# KiCad board frankenso.kicad_pcb (continued)
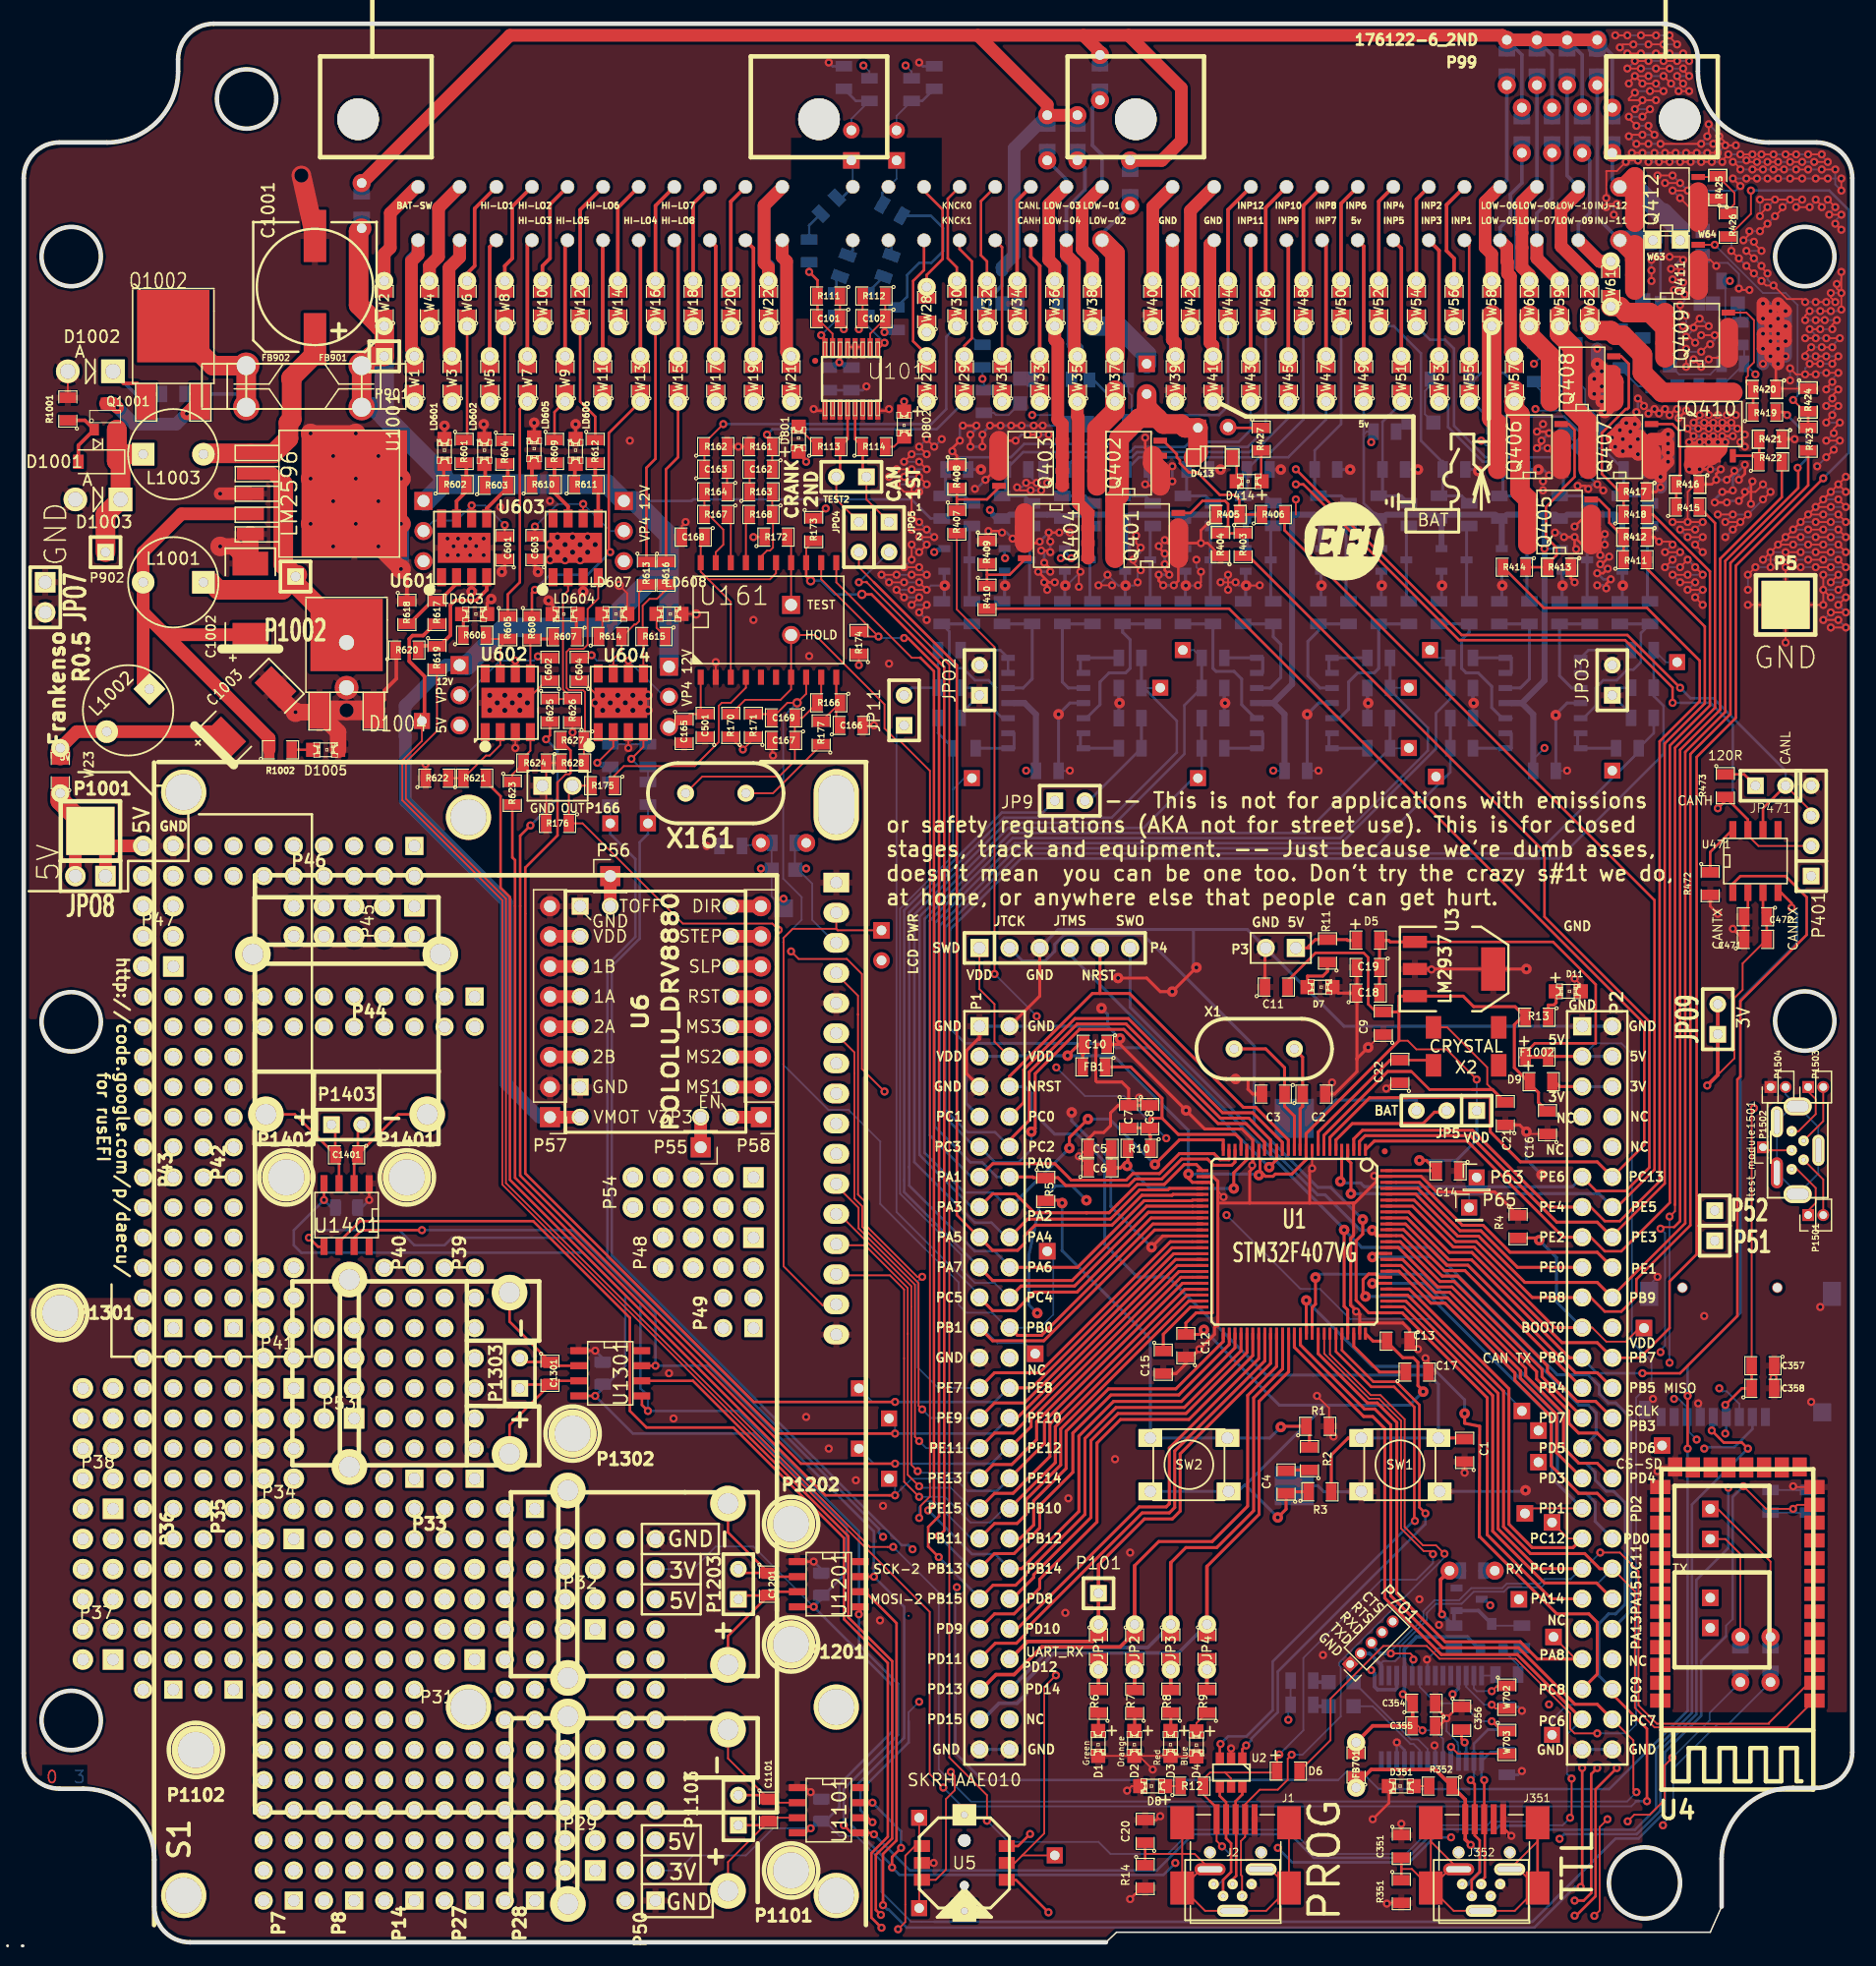
[diagram p0: board, top side]
## Routing (per net, layer and track width the routed paths; a pad name or vN(x,y) marks a point on that pad's centre or on a via; arc(x,y) is an arc through that point) (continued)
  Top w0.152: v2(85.38,123.02) v2(84.49,123.02) ; v2(83.73,122.64) 83.98,122.38 v2(84.87,122.38) ; v2(85.76,122.38) 86.27,122.89 v2(86.27,123.02) ; v2(109,46.06) 110.02,45.04 R1.2 110.02,43.01 v2(110.4,42.63) ; v2(149.13,38.44) 149.2,38.37 U4.13 ; v2(93,12.78) 93.38,13.16 D8.2 ; D1.2 D3.2 96.7,15.67 D4.2 ; v2(95.16,14.56) 94.01,15.71 D2.2 ; v2(66.33,12.66) 65.95,13.04 U1101.1 ; 151.1,130.96 151.1,130.89 ; v2(114.84,71.97) 115.33,72.45 C22.1 ; v1(113.32,75.44) 114.4,76.51 C9.1 ; v2(110.27,72.47) 109.7,71.9 C2.2 ; v2(94.01,71.2) 94.67,70.55 C8.1 ; v2(118.65,82) 118.61,82.04 U3.2 ; v2(130.72,81.24) 131.23,80.72 D11.2 ; v2(103.54,65.49) 103.59,65.54 U1.20 ; v2(101.13,62.82) 100.74,63.2 100.64,63.2 ; v2(113.83,64.6) 113.86,64.56 U1.99 ; v2(112.3,53.17) 112.56,52.92 112.61,52.92 ; v2(117.51,49.99) 116.83,50.67 C13.1 ; v2(118.14,49.23) 118.4,48.98 C17.2 ; v2(99.09,49.99) 98.44,49.34 C12.1 ; v1(126.65,68.32) 126.84,68.13 C16.1 ; R420.1 147.73,130.96 R424.1 ; v2(142.02,133.43) 142.15,133.56 Q409.3 ; v2(141.38,132.8) v2(140.75,133.43) ; v2(140.11,132.8) v2(140.11,134.32) ; v2(141.38,134.07) 142.02,134.7 v2(142.15,134.7) ; v2(142.53,135.47) v2(141.38,135.47) ; v2(140.88,134.83) 140.37,135.34 v2(140.11,135.34) ; v2(140.75,136.1) 140.88,136.23 v2(142.02,136.23) ; v2(141.26,136.86) 140.62,136.23 v2(139.86,136.23) ; v2(140.11,137.12) 139.61,137.62 v2(139.61,138.01) ; v2(139.99,138.89) 139.61,139.28 v2(139.1,139.28) ; v2(139.86,139.91) 139.61,140.16 v2(138.97,140.16) ; v2(139.73,140.8) 139.48,141.05 v2(138.84,141.05) ; v2(139.86,141.82) 139.61,142.07 v2(138.72,142.07) 137.45,142.07 v2(137.19,141.82) ; v2(142.65,141.31) 142.15,141.82 Q411.3 ; v2(144.56,139.4) 144.69,139.28 v2(145.45,139.28) ; v2(139.61,147.02) 140.37,146.26 Q412.3 ; v2(138.97,147.66) v2(140.24,147.66) ; v2(138.34,148.29) v2(139.61,148.29) ; v2(138.97,148.93) v2(137.7,148.93) ; v2(143.92,142.58) v2(144.56,141.94) ; v2(145.19,141.31) v2(145.83,140.67) ; v2(146.46,140.04) 146.85,139.66 v2(147.48,139.66) 148.62,138.51 149.89,138.51 v2(150.15,138.26) ; v2(146.97,140.67) 146.46,141.18 v2(146.46,141.31) ; v2(145.83,141.94) v2(145.19,142.58) ; v2(146.46,142.58) 145.83,143.21 v2(145.83,143.34) ; v2(144.94,143.47) 145.45,143.97 v2(145.45,144.23) ; v2(146.34,144.23) v2(146.97,144.86) ; v2(147.61,145.5) 148.24,146.13 v2(148.24,146.26) ; v2(148.88,146.9) v2(147.61,146.9) ; v2(146.97,146.26) 146.34,145.63 v2(146.34,145.5) ; v2(146.34,146.9) v2(149.89,146.9) ; v2(149.39,146.26) v2(150.53,146.26) ; v2(151.04,146.9) 151.54,146.39 v2(151.54,146.26) ; v2(152.05,146.9) v2(152.69,146.26) ; v2(152.18,145.63) v2(153.2,145.63) ; v2(152.69,144.86) v2(153.2,144.36) ; v2(144.69,148.04) v2(144.05,148.67) ; v2(145.19,148.67) v2(146.08,148.67) ; v2(147.86,148.67) v2(146.97,148.67) ; v2(148.88,148.67) v2(149.89,148.67) ; v2(151.04,148.67) v2(152.05,148.67) ; v2(153.2,148.67) v2(153.2,147.66) ; v2(152.69,149.44) v2(151.54,149.44) ; v2(150.4,149.44) v2(149.39,149.44) ; v2(148.37,149.44) v2(147.48,149.44) ; v2(146.59,149.44) v2(145.7,149.44) ; v2(144.69,149.44) 144.18,150.07 v2(144.05,150.07) ; v2(145.19,150.2) 145.32,150.07 v2(146.08,150.07) ; v2(146.97,150.07) v2(147.86,150.07) ; v2(148.88,150.07) v2(149.89,150.07) ; v2(150.91,150.07) v2(152.05,150.07) ; v2(151.54,150.71) v2(150.4,150.71) ; v2(149.39,150.71) v2(148.5,150.71) ; v2(147.48,150.71) v2(146.46,150.71) ; v2(145.7,150.71) v2(144.69,150.71) ; v2(143.67,150.71) 143.16,150.2 v2(143.16,150.07) ; v2(142.27,150.07) v2(141.38,150.07) ; v2(140.5,150.07) v2(139.61,150.07) ; v2(138.72,150.07) v2(137.83,150.07) ; v2(136.94,150.07) 137.45,150.58 v2(137.45,150.83) ; v2(136.43,150.83) v2(135.54,150.83) ; v2(136.05,150.2) 135.16,150.2 v2(135.03,150.07) 134.27,149.31 133.38,149.31 v2(133.38,147.02) ; v2(138.34,150.83) v2(139.23,150.83) ; v2(140.11,150.83) v2(141,150.83) ; v2(141.89,150.83) v2(142.78,150.83) ; v2(143.42,151.47) 143.29,151.59 v2(142.4,151.59) ; v2(141.38,151.59) v2(137.96,151.59) ; v2(136.94,151.59) v2(135.92,151.59) ; v2(135.29,152.23) 135.42,152.36 v2(136.43,152.36) ; v2(137.45,152.36) 136.94,152.86 v2(136.94,153.12) ; v2(135.92,153.12) 135.29,153.75 v2(135.29,153.88) ; v2(136.43,153.88) v2(137.07,154.52) ; v2(135.8,154.52) 136.43,155.15 v2(136.43,155.28) ; v2(137.57,155.28) 135.29,155.28 135.29,155.4 v2(135.8,155.91) ; v2(137.07,156.04) v2(138.21,156.04) ; v2(135.8,157.31) v2(136.94,157.31) ; v2(135.8,157.31) 135.29,156.8 v2(135.29,156.67) ; v2(135.8,157.31) v2(136.43,156.67) v2(137.57,156.67) ; v2(138.21,157.31) v2(138.84,156.67) ; v2(139.48,156.04) v2(140.37,156.04) ; v2(139.86,156.67) 139.35,157.18 v2(139.35,157.31) ; v2(140.37,157.31) 139.86,157.82 v2(139.86,157.94) ; v2(138.72,157.94) v2(137.57,157.94) ; v2(136.3,157.94) v2(135.16,157.94) ; v2(135.8,158.58) v2(136.94,158.58) ; v2(138.21,158.58) v2(139.35,158.58) ; v2(140.37,158.58) 139.86,159.09 v2(139.86,159.21) ; v2(138.72,159.21) v2(137.57,159.21) ; v2(136.3,159.21) v2(135.16,159.21) ; v2(134.53,159.72) 134.78,159.98 v2(135.67,159.98) ; v2(136.94,159.98) v2(138.21,159.98) ; v2(139.35,159.98) 138.72,160.61 v2(138.72,160.74) ; v2(137.57,160.74) v2(136.3,160.74) ; v2(135.16,160.74) v2(134.15,160.74) ; v2(141.89,152.23) 142.02,152.36 v2(142.02,153.25) ; v2(142.91,152.23) 143.67,151.47 v2(144.31,151.47) ; v2(151.04,138.26) v2(151.93,138.26) ; v2(152.69,138.26) 152.31,138.64 v2(152.31,139.02) ; v2(153.2,139.02) 152.81,139.4 v2(152.81,139.78) ; v2(153.2,140.8) v2(153.2,137.62) ; v2(152.31,137.5) v2(151.42,137.5) ; v2(150.53,137.5) 150.15,137.12 v2(150.15,136.74) ; v2(151.04,136.74) v2(151.8,136.74) ; v2(152.81,136.74) 152.43,136.35 v2(152.43,135.97) ; v2(151.42,135.97) v2(150.53,135.97) ; v2(151.04,135.21) v2(150.15,135.21) ; v2(151.93,135.21) v2(153.07,135.21) ; v2(152.43,134.45) v2(151.54,134.45) ; v2(150.66,134.45) 150.15,133.94 v2(150.15,133.69) ; v2(151.04,133.69) v2(151.93,133.69) ; v2(152.94,133.69) 152.43,133.18 v2(152.43,133.05) ; v2(151.42,133.05) v2(150.53,133.05) ; v2(151.04,132.16) v2(150.15,132.16) 149.39,132.16 v2(148.88,132.67) ; v2(151.93,132.29) v2(152.94,132.29) ; v2(152.43,131.53) 151.93,131.02 v2(151.93,130.89) ; v2(152.94,130.89) 152.43,130.39 v2(152.43,130.13) ; v2(151.93,129.5) v2(152.94,129.5) ; v2(152.43,128.73) 151.93,128.23 v2(151.93,128.1) ; v2(153.07,128.1) 152.56,127.59 v2(152.56,127.21) ; v2(151.93,126.58) v2(153.07,126.58) ; v2(152.56,125.81) v2(151.93,125.18) ; v2(137.19,140.93) v2(137.19,140.04) ; v2(133.38,146.26) 133.64,146.51 v2(134.27,146.51) ; v2(146.59,122.89) 145.96,122.26 v2(145.07,122.26) ; v2(147.23,122.26) v2(146.59,121.62) ; v2(142.78,120.35) v2(144.05,120.35) ; v2(143.42,119.72) v2(144.69,119.72) ; v2(145.32,120.35) v2(144.05,119.08) ; v2(140.24,119.72) 140.24,122.26 140.88,122.89 R416.1 ; v2(140.24,119.72) v2(138.97,119.72) ; v2(140.24,119.72) v2(141.51,119.72) ; v2(140.88,119.08) v2(139.61,119.08) ; v2(140.24,118.45) v2(141.51,118.45) ; v2(140.88,117.81) v2(141.51,117.18) ; v2(138.97,117.81) 138.72,118.07 v2(137.83,118.07) ; v2(138.34,117.18) v2(139.61,117.18) ; v2(138.97,116.54) v2(138.34,115.91) ; v2(139.61,115.91) v2(140.24,116.54) ; v2(140.88,115.91) v2(141.51,115.27) ; v2(140.24,115.27) v2(138.97,115.27) ; v2(139.61,114.64) v2(140.88,114.64) ; v2(140.24,114) v2(141.51,114) ; v2(140.88,113.37) v2(141.51,112.73) ; v2(151.04,115.91) v2(152.31,115.91) ; v2(153.58,115.91) v2(152.94,116.54) ; v2(151.67,116.54) v2(150.4,116.54) ; v2(149.13,116.54) v2(147.86,116.54) ; v2(146.59,116.54) v2(147.23,117.18) ; v2(147.23,117.18) v2(153.58,123.53) ; v2(147.23,117.18) v2(147.23,115.91) ; v2(148.5,117.18) v2(149.77,117.18) ; v2(151.04,117.18) v2(152.31,117.18) ; v2(153.58,117.18) v2(152.94,117.81) ; v2(151.67,117.81) v2(150.4,117.81) ; v2(149.13,117.81) v2(147.86,117.81) ; v2(148.5,118.45) v2(149.77,118.45) ; v2(151.04,118.45) v2(152.31,118.45) ; v2(153.58,118.45) v2(152.94,119.08) ; v2(151.67,119.08) v2(150.4,119.08) ; v2(149.13,119.08) v2(149.77,119.72) ; v2(151.04,119.72) v2(152.31,119.72) ; v2(153.58,119.72) v2(152.94,120.35) ; v2(151.67,120.35) v2(150.4,120.35) ; v2(151.04,120.99) v2(152.31,120.99) ; v2(153.58,120.99) v2(152.94,121.62) ; v2(151.67,121.62) v2(152.31,122.26) ; v2(153.58,122.26) v2(152.94,122.89) ; v2(145.96,115.91) v2(145.32,115.27) ; v2(152.94,115.27) v2(152.31,114.64) ; v2(153.58,114.64) v2(152.94,114) ; v2(151.67,114) v2(152.31,113.37) ; v2(153.58,113.37) v2(152.94,112.73) ; v2(153.58,112.1) v2(152.31,112.1) ; v2(151.67,111.46) v2(152.94,111.46) ; v2(153.58,110.83) v2(152.31,110.83) ; v2(102.14,114.64) v2(100.87,114.64) ; v2(101.51,115.27) v2(101.51,114) ; v2(90.58,114.38) v2(91.73,114.38) ; v2(89.06,115.53) 88.93,115.4 v2(88.93,114.26) ; v2(94.14,115.65) 93.51,116.29 v2(93.51,116.54) ; v2(94.14,117.56) 93.76,117.94 v2(93.76,118.57) ; v2(98.97,114.38) 99.22,114.64 v2(99.22,115.53) ; v2(104.17,114.38) 104.15,114.36 v1(103.03,114.36) ; v2(74.84,114) v2(76.11,114) v2(75.47,114.64) ; v2(73.57,114) v2(74.2,113.37) ; v2(75.47,113.37) v2(74.84,112.73) ; v2(76.11,112.73) v2(75.47,112.1) ; v2(74.2,114.64) v2(72.93,114.64) ; v2(72.3,115.27) v2(73.57,115.27) ; v2(74.84,115.27) v2(76.11,115.27) ; v2(75.47,115.91) v2(74.2,115.91) ; v2(74.84,116.54) v2(74.84,117.81) ; v2(75.47,117.18) v2(76.11,117.81) ; v2(75.47,118.45) v2(76.74,118.45) ; v2(74.84,119.08) v2(76.11,119.08) ; v2(75.47,119.72) v2(74.84,120.35) v2(74.84,122.89) ; v2(73.57,122.89) 74.2,122.26 v2(75.47,122.26) ; v2(76.11,122.89) v2(75.47,123.53) ; v2(74.2,123.53) v2(72.93,123.53) ; v2(73.57,124.16) v2(74.84,124.16) ; v2(76.11,124.16) v2(75.47,124.8) ; v2(74.2,124.8) v2(74.84,125.43) ; v2(76.11,125.43) v2(75.47,126.07) ; v2(76.11,126.7) v2(76.74,126.07) ; Q412.3 141.7,146.96 R425.1 ; v2(55.79,119.72) 55.47,119.4 C168.2 ; v2(63.15,100.03) 63.09,100.1 C167.2 ; v3(39.28,105.11) v3(39.91,104.48) U602.9 ; v3(40.55,105.11) v3(41.82,105.11) ; v3(42.45,104.48) v3(41.18,104.48) ; v3(49.44,104.48) v3(48.8,105.11) ; v3(49.44,104.48) v3(48.17,104.48) ; v3(49.44,104.48) U604.9 ; v3(50.07,105.11) v3(51.34,105.11) ; v3(51.98,104.48) v3(50.71,104.48) ; v3(48.8,103.84) v3(50.07,103.84) ; v3(51.34,103.84) v3(52.61,103.84) ; v3(44.99,118.45) 45.9,117.54 U603.9 ; v3(46.26,118.45) v3(47.53,118.45) ; v3(48.17,117.81) v3(46.9,117.81) ; v3(45.63,117.81) v3(44.36,117.81) ; v3(44.99,117.18) v3(46.26,117.18) ; v3(47.53,117.18) v3(46.9,116.54) ; v3(45.63,116.54) v3(44.36,116.54) ; v3(41.82,103.84) v3(40.55,103.84) ; v3(39.28,103.84) U602.9 ; U602.9 42.17,104.48 44.04,106.34 C602.1 ; v3(50.2,114.38) 50.87,113.72 LD607.2 ; v2(114.89,3.26) 114.96,3.32 R351.2 ; v2(33.87,99.32) 33.88,99.31 R622.1 ; 48.9,104.48 U604.9 ; U604.9 48.95,104.48 47.09,106.34 C604.1 47.04,106.34 ; v2(72.42,36.79) 72.42,36.66 ; C6.1 89.76,65.43 v2(88.93,66.25) 89.61,66.93 C5.1 ; v2(149.77,115.91) v2(148.5,115.91) P5.1 ; W42.1 W42.1 ; P5.1 v2(151.67,112.73) v2(151.67,115.27) ; P5.1 v2(148.5,109.56) ; P5.1 v2(145.32,112.73) ; R628.1 R624.1 44.04,97.81 P166.1 44.04,97.18 R176.2 ; R162.2 v2(60.23,126.07) R161.2 ; U1.10 v2(108.59,65.24) ; W39.1 W39.1 ; R626.1 v2(46.26,101.99) ; v2(50.96,100.67) U604.3 ; W41.1 W41.1 ; LD608.2 v3(56.68,111.97) ; R1001.2 D1002.2 ; U161.2 v2(58.33,107.91) ; U2.2 v2(101.76,16.34) ; U4.22 137.93,39.48 v2(137.7,39.71) 138.06,40.07 U4.21 ; 41.44,102 v2(41.44,100.67) ; C166.2 v2(71.66,102.57) ; W40.1 W40.1 ; C1.1 v2(121.45,39.58) ; U5.5 v2(76.69,6.69)
  Top w0.216: v2(130.72,118.45) 131.35,117.81 Q405.3 133.38,117.81 v2(133.26,117.81) ; v2(130.72,118.45) 130.72,117.56 v2(130.84,117.43) ; v2(130.72,118.45) v2(129.83,118.45) ; v2(130.72,114.64) 130.4,114.96 R413.1 ; v2(94.52,122.89) 94.65,122.77 Q402.3 96.43,122.77 v2(96.81,123.15) ; v2(137.96,123.53) 137.32,124.16 Q407.3 ; v2(137.96,122.64) 137.57,122.26 R417.1 ; v2(135.92,128.99) 135.8,128.86 v2(135.8,127.97) ; v2(136.05,130.13) 136.56,129.62 v2(136.56,129.5) ; v2(136.94,128.86) 137.32,129.24 v2(137.45,129.24) ; v2(137.83,128.86) 138.21,129.24 v2(138.34,129.24) ; v2(138.72,128.73) 139.23,129.24 v2(139.35,129.24) ; v2(139.48,128.48) v2(140.11,129.12) ; v2(140.37,126.45) 140.24,126.32 140.24,124.29 v2(140.37,124.16) ; v2(141.26,126.45) v2(142.02,126.45) ; v2(142.78,126.45) v2(143.42,126.45) ; v2(144.05,126.96) v2(143.16,126.96) ; v2(142.4,126.96) v2(141.64,126.96) ; v2(140.75,126.96) 140.24,127.46 v2(140.24,127.59) ; v2(141.13,127.59) v2(142.02,127.59) ; v2(142.78,127.59) v2(143.54,127.59) ; v2(143.16,128.1) v2(143.92,128.1) v2(144.43,127.59) 144.56,127.59 v2(145.07,127.08) ; v2(142.4,128.1) v2(141.64,128.1) ; v2(140.75,128.1) 141.26,128.61 v2(141.26,128.73) ; v2(142.02,128.73) v2(142.78,128.73) ; v2(143.54,128.73) v2(144.31,128.73) ; v2(145.07,126.07) v2(144.69,126.45) ; v2(141.26,124.16) v2(142.15,124.16) ; v2(143.04,124.16) 142.65,123.78 v2(142.65,123.27) 142.27,122.89 R416.1 ; v2(143.54,123.27) 144.18,123.91 v2(144.18,124.04) ; v2(144.56,123.27) 145.07,123.78 v2(145.07,124.54) ; v2(144.05,122.38) 143.92,122.26 v2(143.16,122.26) ; v2(142.53,121.37) v2(143.54,121.37) ; v2(144.56,121.5) 145.07,122 v2(145.07,122.26) ; v2(145.7,123.15) 145.58,123.02 v2(145.58,121.24) ; v2(133.26,118.7) 132.88,118.32 v2(132.88,116.92) ; v2(133.64,116.8) 133,116.16 v2(132.88,116.16) ; v2(133.51,115.78) 133.13,115.4 v2(132.62,115.4) ; v2(133.76,114.89) 133.38,114.51 v2(133.38,114.13) ; v2(131.86,122.51) 131.61,122.77 v2(130.97,122.77) ; v2(130.72,119.34) 131.73,120.35 Q405.3 ; v2(128.56,123.65) v2(128.05,123.15) ; v2(137.83,118.07) 137.45,118.45 R412.1 ; v2(128.43,125.94) 128.94,125.43 Q406.3 ; v2(127.54,125.94) 127.92,126.32 v2(127.92,126.58) ; v2(128.56,127.21) 128.43,127.34 v2(127.54,127.34) ; v2(83.35,118.32) 83.73,117.94 Q404.3 ; v2(82.46,118.83) 82.33,118.96 v2(81.31,118.96) ; v2(85.63,118.07) 85.5,117.94 Q404.3 ; v2(87.28,118.83) v2(86.39,118.83) 86.39,118.19 v2(86.52,118.07) ; v2(86.52,117.18) 86.39,117.3 v2(85.76,117.3) ; v2(86.01,116.29) 86.52,115.78 v2(86.52,115.53) ; v2(85.5,115.53) 86.39,114.64 v2(86.9,114.64) ; v2(86.01,114.64) 86.27,114.38 v2(86.27,114) ; v2(96.93,114.38) 97.32,114.76 Q401.3 ; v2(96.05,114.38) 95.66,114.76 v2(95.66,115.27) ; v2(96.55,115.27) 96.17,115.65 v2(96.17,116.16) ; v2(96.17,117.05) 95.66,117.56 v2(95.66,117.69) ; v2(96.17,118.19) 96.43,117.94 v2(99.22,117.94) ; v2(99.22,117.94) 99.79,117.94 R404.1 ; v2(99.22,117.94) 99.22,119.02 R405.1 ; v2(81.06,123.27) 81.82,124.04 82.33,124.04 82.33,126.58 v2(83.6,126.58) ; v2(84.62,127.08) v2(85.5,127.08) ; v2(85.89,127.85) v2(85.12,127.85) ; v2(84.11,127.85) v2(83.22,127.85) ; v2(82.33,127.85) v2(81.44,127.85) ; v2(80.81,127.08) v2(80.81,126.07) ; v2(79.79,126.07) v2(79.79,127.08) ; v2(80.3,127.85) v2(79.15,127.85) ; v2(78.9,126.58) 78.27,125.94 v2(78.27,125.69) 78.65,125.31 R408.1 ; Q402.3 Q402.3 95.16,125.31 94.52,125.94 v2(94.52,126.83) ; Q404.3 Q404.3 ; v2(144.05,85.43) 144.94,84.54 C471.1 C472.2 145.32,86.76 U471.2 ; v2(95.79,10.62) 95.47,10.31 C20.2 ; v2(93.25,3.64) 94.2,4.59 R14.2 ; v2(119.92,18.88) 118.97,19.83 C354.2 ; v2(119.92,18.88) 120.87,19.83 C356.1 ; v2(119.92,18.88) 119.29,18.24 C355.1 ; v2(125.38,8.97) 124.7,9.66 J351.5 ; v2(72.93,129.24) 72.78,129.09 U101.8 ; v2(66.58,129.24) 66.73,129.09 U101.1 ; U101.11 U101.12 U101.13 ; v2(38.77,116.92) 38.15,117.54 U601.9 ; v2(37.63,116.92) v2(36.61,116.92) ; v2(35.72,116.92) 36.23,117.43 v2(36.23,117.67) ; v2(37.24,117.69) v2(38.13,117.69) ; v2(38.77,118.32) v2(37.63,118.32) ; v2(36.61,118.32) v2(35.72,118.32) ; v2(142.78,86.7) 142.15,87.33 R472.2 ; v2(113.7,10.37) 115.06,11.73 D351.2 ; v2(147.48,47.58) 147.54,47.65 C357.1 C358.2 ; v2(147.86,133.05) 147.67,132.86 R420.1 ; U1301.1 v2(48.17,49.87) ; Q401.3 Q401.3 ; U1401.1 v2(29.12,62.57) ; U1201.1 v2(66.58,32.09) ; C351.1 v2(116.11,9.99) ; v2(128.05,127.97) 128.05,128.1 ; R421.1 v2(149.26,126.7) ; v2(133.13,122.38) v2(132.62,122.89)
  Top w0.254: v1(87.22,103.51) 87.16,103.44 ; v1(108.17,103.51) 108.11,103.44 ; v1(129.13,103.44) 129.07,103.44 ; v1(98.84,82.17) v1(96.81,80.13) 95.79,80.13 94.65,81.28 v1(92.24,81.28) ; 92.4,75.69 v1(97.97,70.12) 99.54,68.55 102.67,68.55 103.59,67.64 U1.20 103.59,65.25 103.33,64.99 103.33,62.31 ; 92.4,75.69 v1(92.4,76.18) ; 92.4,75.69 C10.1 90.51,75.69 90.36,75.54 90.36,72.61 90.46,72.51 92.55,72.51 93.12,71.94 C7.1 ; 112.36,74.42 112.36,73.39 110.47,71.5 C2.2 ; 112.36,74.42 112.36,74.48 v1(113.32,75.44) ; 112.36,74.42 C18.1 ; D7.2 110.81,80.01 C18.1 ; P3.2 104.62,83.75 C11.1 ; v1(126.65,68.32) 126.08,68.89 C21.1 ; C15.2 97.12,47.94 97.95,48.77 C12.1 98.46,49.34 100.36,51.24 100.36,51.81 100.64,52.09 ; C13.1 116.81,51.62 116.23,52.2 112.61,52.2 ; 100.64,52.09 100.64,51.97 ; 100.64,52.09 100.64,62.31 ; v1(40.29,115.51) 40.55,115.77 C601.1 ; v1(43.34,115.51) 43.09,115.77 43.09,116.59 ; v1(44.23,113.1) 44.58,112.75 LD604.2 ; v1(39.4,113.23) 39.06,112.88 LD603.2 ; v1(38.77,127.96) 38.83,127.89 LD602.2 ; 35.21,117.54 35.34,117.67 36.99,117.67 U601.9 39.02,117.54 ; U603.9 48.42,117.54 ; C7.1 C8.1 ; C7.1 92.24,70.55 91.6,69.91 91.6,68.83 91.03,68.26 90.27,68.26 89.76,67.75 C5.1 ; v1(88.32,69.95) 88.16,69.78 ; v1(95.06,58.59) 96,59.53 U1.37 ; 100.64,62.31 100.64,64.15 100.25,64.54 U1.27 ; 100.64,62.31 103.33,62.31 ; 112.61,52.2 112.61,52.94 111.84,53.7 111.84,59.33 112.08,59.57 112.08,62.31 ; 112.61,52.2 U1.74 ; LD601.2 v1(35.47,127.83) ; R4.1 123.98,63.25 119.08,63.25 117.77,64.56 U1.99 114,64.56 114,64.13 112.19,62.31 112.08,62.31 ; 108.38,62.31 108.38,65.03 v2(108.59,65.24) ; 108.38,62.31 103.33,62.31 ; 108.38,62.31 112.08,62.31 ; U603.3 v1(47.15,113.86) ; P1.5 79.46,73.23 79.46,75.16 80.41,76.12 80.55,76.12 P1.1 ; LD606.2 v1(46.52,127.96) ; v1(126.65,82.04) U3.4 U3.2 ; C3.2 103.59,71.5 103.19,71.9 103.19,72.77 v1(102.14,72.77) ; C18.1 C19.2 ; P1.2 85.63,79.75 85.63,83.82 ; LD605.2 v1(43.02,128.08) ; U601.3 v1(37.75,113.86)
  Top w0.305: v4(31.8,115.76) 32.29,115.26 R618.1 ; 30.01,104.35 D1004.3 30.39,104.73 30.39,105.49 31.4,106.51 31.4,108.86 R620.1 ; v2(91.98,40.72) 92.11,40.72
  Top w1.067: v2(148.5,134.96) v2(148.5,136.23) ; v2(148.5,137.5) v2(147.86,138.13) ; v2(147.86,136.86) v2(147.86,135.59) ; v2(147.86,134.32) v2(147.86,133.05) ; v2(147.23,133.69) v2(147.23,134.96) ; v2(147.23,136.23) v2(147.23,137.5) ; v2(146.59,138.13) v2(146.59,136.86) ; v2(146.59,135.59) v2(146.59,134.32) ; v2(133,131.15) v2(133,132.42) ; v2(132.37,131.78) v2(132.37,130.51) ; v2(132.62,133.05) 133.26,132.42 Q408.3 ; v2(133.26,128.99) 134.02,129.75 Q408.3 v2(133,129.88) ; v2(136.05,126.7) v2(135.42,126.07) ; v2(134.78,126.7) v2(135.42,127.34) ; v2(135.8,127.97) 135.7,128.07 v2(135.07,128.07) ; v2(134.53,127.46) 133.89,126.83 v2(133.87,126.83) ; v2(134.14,126.06) 134.51,125.69 v2(134.78,125.69) 135.8,125.69 v2(136.05,125.43) Q407.3 ; v2(138.59,127.12) 138.18,126.7 Q407.3 ; v2(138.59,126.32) v2(138.59,125.56) ; v2(138.59,124.8) 137.96,124.16 v2(137.96,123.53) ; U1001.3 v2(16.56,122.11)